# KiCad board fpgaboard.kicad_pcb (continued)
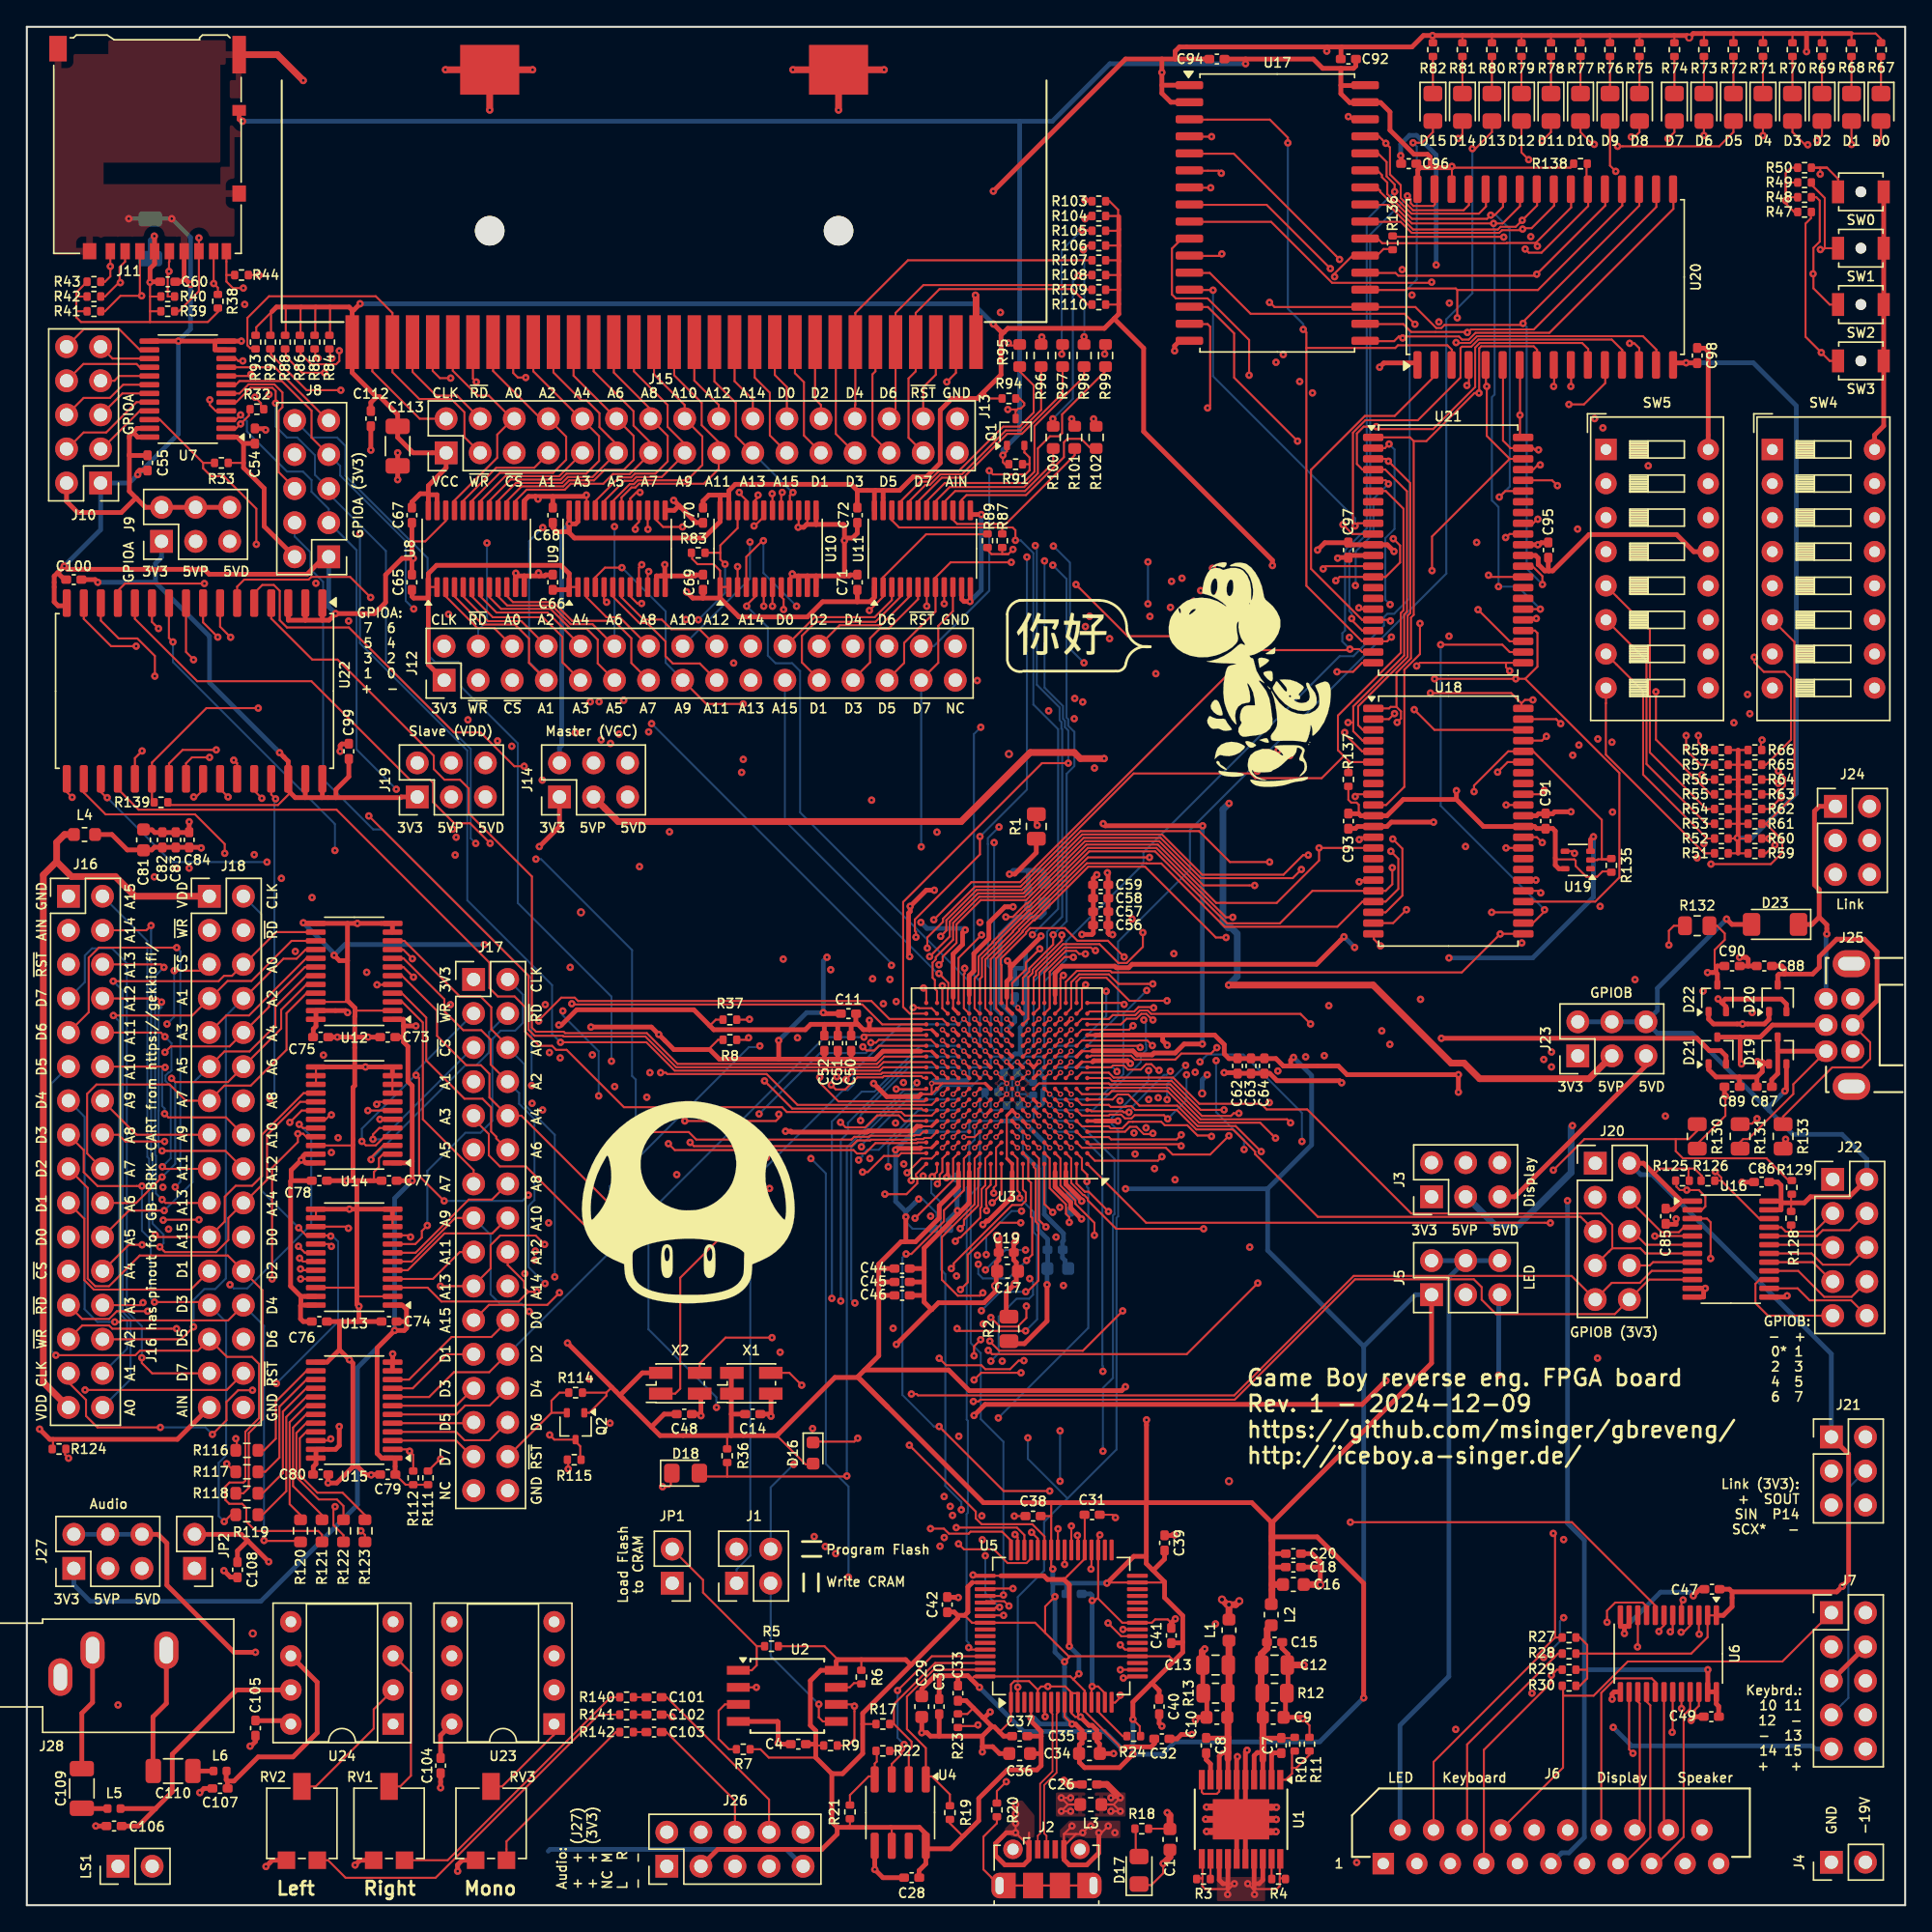
[diagram p0: board, top side]
## Placement (name value [footprint] x y rotation side) (continued)
R121  10  [R_0603_1608Metric]  22 27.9 90 top
R122  10  [R_0603_1608Metric]  23.6 27.9 90 top
R123  10  [R_0603_1608Metric]  25.2 27.9 90 top
R124  1M  [R_0402_1005Metric]  2.4 34 0 top
R125  10k  [R_0402_1005Metric]  123.4 54 180 top
R126  10k  [R_0402_1005Metric]  125.3 54 0 top
R128  10k  [R_0402_1005Metric]  131.5 51.2 270 top
R129  10k  [R_0402_1005Metric]  131.55 53.5 90 top
R130  220  [R_0805_2012Metric]  124.5 57.3 90 top
R131  220  [R_0805_2012Metric]  127.7 57.3 90 top
R132  220  [R_0805_2012Metric]  124.5 73 180 top
R133  220  [R_0805_2012Metric]  130.9 57.3 270 top
R135  10k  [R_0402_1005Metric]  118.1 77.5 270 top
R136  10k  [R_0402_1005Metric]  101.8 123.9 90 top
R137  10k  [R_0402_1005Metric]  98.5 83.9 270 top
R138  10k  [R_0402_1005Metric]  115.8 129.8 180 top
R139  10k  [R_0402_1005Metric]  10 82.2 0 top
R140  47  [R_0402_1005Metric]  44.7 15.5 180 top
R141  47  [R_0402_1005Metric]  44.7 14.2 180 top
R142  47  [R_0402_1005Metric]  44.7 12.9 180 top
RV1  1k  [Potentiometer_Vishay_TS53YL_Vertical]  27 6.1 270 top
RV2  1k  [Potentiometer_Vishay_TS53YL_Vertical]  20.5 6.1 270 top
RV3  1k  [Potentiometer_Vishay_TS53YL_Vertical]  34.6 6.1 270 top
SW0  SW_Push  [SW_SPST_B3U-1000P-B]  136.7 127.7 0 top
SW1  SW_Push  [SW_SPST_B3U-1000P-B]  136.7 123.5 0 top
SW2  SW_Push  [SW_SPST_B3U-1000P-B]  136.7 119.3 0 top
SW3  SW_Push  [SW_SPST_B3U-1000P-B]  136.7 115.1 0 top
SW4  SW_DIP_x08  [SW_DIP_SPSTx08_Slide_9.78x22.5mm_W7.62mm_P2.54mm]  130.1 108.5 0 top
SW5  SW_DIP_x08  [SW_DIP_SPSTx08_Slide_9.78x22.5mm_W7.62mm_P2.54mm]  117.7 108.5 0 top
U1  LT3030EFE  [ETSSOP-20-1EP_4.4x6.5mm_P0.65mm_EP3x4.2mm]  90.5 6.4 270 top
U2  W25Q32JVSSIM  [SOIC-8W_5.3x5.3mm_P1.27mm]  56.68 15.6 0 top
U3  ICE40HX8K-CT256  [BGA-256_14.0x14.0mm_Layout16x16_P0.8mm_Ball0.45mm_Pad0.32mm_NSMD]  73.04 61.25 180 top
U4  93LC56B  [SOIC-8_3.9x4.9mm_P1.27mm]  65.1 6.9 270 top
U5  FT2232H  [LQFP-64_10x10mm_P0.5mm]  77.1 20.8 90 top
U6  74LVCH8T245  [TSSOP-24_4.4x7.8mm_P0.65mm]  122.35 18.75 270 top
U7  74LVCH8T245  [TSSOP-24_4.4x7.8mm_P0.65mm]  12 113 180 top
U8  74LVCH8T245  [TSSOP-24_4.4x7.8mm_P0.65mm]  33.5 101.1 90 top
U9  74LVCH8T245  [TSSOP-24_4.4x7.8mm_P0.65mm]  44 101.1 90 top
U10  74LVCH8T245  [TSSOP-24_4.4x7.8mm_P0.65mm]  55.25 101.1 90 top
U11  74LVCH8T245  [TSSOP-24_4.4x7.8mm_P0.65mm]  66.75 101.1 90 top
U12  74LVCH8T245  [TSSOP-24_4.4x7.8mm_P0.65mm]  24.4 69.6 180 top
U13  74LVCH8T245  [TSSOP-24_4.4x7.8mm_P0.65mm]  24.4 48.3 180 top
U14  74LVCH8T245  [TSSOP-24_4.4x7.8mm_P0.65mm]  24.4 58.9 180 top
U15  74LVCH8T245  [TSSOP-24_4.4x7.8mm_P0.65mm]  24.4 36.9 180 top
U16  74LVCH8T245  [TSSOP-24_4.4x7.8mm_P0.65mm]  127 48.9 0 top
U17  IS62WV1288BLL-55QLI  [SSOP-32_11.305x20.495mm_P1.27mm]  93.2 126.12 0 top
U18  IS62WV10248EBLL-45TLI  [TSOP-II-44_10.16x18.41mm_P0.8mm]  105.95 80.8 0 top
U19  74AHC1GU04  [SOT-353_SC-70-5]  115.6 77.9 180 top
U20  IS62WV1288BLL-55QLI  [SSOP-32_11.305x20.495mm_P1.27mm]  113.18 121.35 90 top
U21  IS62WV10248EBLL-45TLI  [TSOP-II-44_10.16x18.41mm_P0.8mm]  105.94 101 0 top
U22  IS62WV1288BLL-55QLI  [SSOP-32_11.305x20.495mm_P1.27mm]  12.5 90.5 270 top
U23  TDA7050  [DIP-8_W7.62mm_Socket]  39.3 13.5 180 top
U24  TDA7050  [DIP-8_W7.62mm_Socket]  27.3 13.5 180 top
X1  12M  [Oscillator_SMD_EuroQuartz_XO32-4Pin_3.2x2.5mm_HandSoldering]  54 38.9 0 top
X2  16.777216M  [Oscillator_SMD_EuroQuartz_XO32-4Pin_3.2x2.5mm_HandSoldering]  48.7 38.9 0 top

## Library data of the parts
C1-C113 = -: Description: Unpolarized capacitor; ki_fp_filters: C_*
D0-D15 D17 D18 = -: Description: Light emitting diode, filled shape; ki_fp_filters: LED* LED_SMD:* LED_THT:*
D16 D23 = -: Description: Diode, filled shape; Sim.Device: D; Sim.Pins: 1=K 2=A; ki_fp_filters: TO-???* *_Diode_* *SingleDiode* D_*
D19-D22 = -: Description: Dual diode, anode/cathode/center
J1 = -: Description: Generic connector, double row, 02x02, odd/even pin numbering scheme (row 1 odd numbers, row 2 even numbers), script generated (kicad-library-utils/schlib/autogen/connector/); ki_fp_filters: Connector*:*_2x??_*
J2 = -: Description: USB Micro Type B connector; Field4: PCB Edge; ki_fp_filters: USB*
J3 J5 J9 J14 J19 J21 J23 J27 = -: Description: Generic connector, double row, 02x03, odd/even pin numbering scheme (row 1 odd numbers, row 2 even numbers), script generated (kicad-library-utils/schlib/autogen/connector/); ki_fp_filters: Connector*:*_2x??_*
J4 = -: Description: Generic connector, single row, 01x02, script generated (kicad-library-utils/schlib/autogen/connector/); ki_fp_filters: Connector*:*_1x??_*
J6 = -: Description: Generic connector, single row, 01x21, script generated (kicad-library-utils/schlib/autogen/connector/); ki_fp_filters: Connector*:*_1x??_*
J7 J8 J10 J20 J22 = -: Description: Generic connector, single row, 01x10, script generated (kicad-library-utils/schlib/autogen/connector/); ki_fp_filters: Connector*:*_1x??_*
J11 = -: Datasheet: https://www.hirose.com/en/product/document?clcode=&productname=&series=DM3&documenttype=Catalog&lang=en&documentid=D49662_en; Description: Micro SD Card Socket with two card detection pins; Field4: KEEPOUT; Field5: KEEPOUT; Field6: KEEPOUT; ki_fp_filters: microSD*
J12 J13 J15 J17 J18 = -: Description: Generic connector, single row, 01x32, script generated (kicad-library-utils/schlib/autogen/connector/); ki_fp_filters: Connector*:*_1x??_*
J16 = -: Description: Generic connector, double row, 02x16, odd/even pin numbering scheme (row 1 odd numbers, row 2 even numbers), script generated (kicad-library-utils/schlib/autogen/connector/); ki_fp_filters: Connector*:*_2x??_*
J24 = -: Description: Generic connector, single row, 01x06, script generated (kicad-library-utils/schlib/autogen/connector/); ki_fp_filters: Connector*:*_1x??_*
J25 = -: Description: Generic connector, single row, 01x07, script generated (kicad-library-utils/schlib/autogen/connector/); ki_fp_filters: Connector*:*_1x??_*
J26 = -: Description: Generic connector, double row, 02x05, odd/even pin numbering scheme (row 1 odd numbers, row 2 even numbers), script generated (kicad-library-utils/schlib/autogen/connector/); ki_fp_filters: Connector*:*_2x??_*
J28 = -: Description: Audio Jack, 3 Poles (Stereo / TRS); ki_fp_filters: Jack*
JP1 JP2 = -: Description: Jumper, 2-pole, closed/bridged; ki_fp_filters: Jumper* TestPoint*2Pads* TestPoint*Bridge*
L1-L6 = -: Description: Inductor; ki_fp_filters: Choke_* *Coil* Inductor_* L_*
LS1 = -: Description: Speaker
Q1 Q2 = -: Description: N-MOSFET transistor, gate/source/drain
R1-R13 R17-R24 R27-R30 R32 R33 R36-R44 R47-R89 R91-R112 R114-R126 R128-R133 R135-R142 = -: Description: Resistor; ki_fp_filters: R_*
RV1-RV3 = -: Description: Potentiometer; ki_fp_filters: Potentiometer*
SW0-SW3 = -: Description: Push button switch, generic, two pins
SW4 SW5 = -: Description: 8x DIP Switch, Single Pole Single Throw (SPST) switch, small symbol; ki_fp_filters: SW?DIP?x8*
U1 = -: Datasheet: https://www.analog.com/media/en/technical-documentation/data-sheets/3030fa.pdf; Description: Dual 750mA/250mALow Dropout, Low Noise,Micropower Linear Regulator
U2 = -: Datasheet: http://ww1.microchip.com/downloads/en/DeviceDoc/21832H.pdf; Description: SPI Serial EEPROM, DIP-8/SOIC-8/TSSOP-8; ki_fp_filters: DIP*W7.62mm* SOIC*3.9x4.9mm* TSSOP*4.4x3mm*P0.65mm*
U3 = -: Datasheet: http://www.latticesemi.com/Products/FPGAandCPLD/iCE40; Description: iCE40 HX FPGA, 7680 LUTs, 1.2V, BGA-256
U4 = -: Datasheet: http://ww1.microchip.com/downloads/en/DeviceDoc/20001749K.pdf; Description: Serial EEPROM, 93 Series, with ORG Pin, 2.5V, DIP-8/SOIC-8; ki_fp_filters: DIP*W7.62mm* SOIC*3.9x4.9mm*
U5 = -: Datasheet: https://www.ftdichip.com/Support/Documents/DataSheets/ICs/DS_FT2232H.pdf; Description: Hi Speed Double Channel USB UART/FIFO, LQFP-64; ki_fp_filters: LQFP*10x10mm*P0.5mm*
U6-U16 = -: Datasheet: https://www.ti.com/lit/ds/symlink/sn74lvc8t245.pdf; Description: 8-Bit Dual-Supply Bus Transceiver With Configurable Voltage Translation and 3-State Outputs; ki_fp_filters: SSOP*5.3x8.2mm* SSOP*3.9x8.7mm* TSSOP*4.4x7.8mm* TVSOP*4.4x5.0mm* Texas*VQFN*RHL*
U17 U20 U22 = -: Datasheet: http://www.futurlec.com/Datasheet/Memory/628128.pdf; Description: SRAM 128k x 8bit; ki_fp_filters: DIP*W15.24mm* SSOP*11.305x20.495mm*P1.27mm*
U18 U21 = -: Datasheet: https://www.issi.com/WW/pdf/62-65WV10248EALL-BLL.pdf; Description: SRAM 1M x 8bit; ki_fp_filters: TSOP-II
U19 = -: Datasheet: http://www.ti.com/lit/sg/scyt129e/scyt129e.pdf; Description: 74AHC1G04, Single NOT Gate, Low-Voltage CMOS; ki_fp_filters: SOT* SG-*
U23 U24 = -: Datasheet: https://eandc.ru/pdf/import/tda7050.pdf; Description: Low voltage mono/stereo poweramplifier; ki_fp_filters: TO*220*StaggerOdd*
X1 X2 = -: Datasheet: http://cdn-reichelt.de/documents/datenblatt/B400/XO32.pdf; Description: HCMOS Clock Oscillator; ki_fp_filters: Oscillator*SMD*EuroQuartz*XO32*3.2x2.5mm*

## Footprints (pads in the part's own frame, mm; a bottom-side part is the same pattern mirrored in y, then rotated)
BGA-256_14.0x14.0mm_Layout16x16_P0.8mm_Ball0.45mm_Pad0.32mm_NSMD
  round 0.32 smd: A1(-6,6) A2(-5.2,6) A3(-4.4,6) A4(-3.6,6) A5(-2.8,6) A6(-2,6) A7(-1.2,6) A8(-0.4,6) A9(0.4,6) A10(1.2,6) A11(2,6) A12(2.8,6) A13(3.6,6) A14(4.4,6) A15(5.2,6) A16(6,6) B1(-6,5.2) B2(-5.2,5.2) B3(-4.4,5.2) B4(-3.6,5.2) B5(-2.8,5.2) B6(-2,5.2) B7(-1.2,5.2) B8(-0.4,5.2) B9(0.4,5.2) B10(1.2,5.2) B11(2,5.2) B12(2.8,5.2) B13(3.6,5.2) B14(4.4,5.2) B15(5.2,5.2) B16(6,5.2) C1(-6,4.4) C2(-5.2,4.4) C3(-4.4,4.4) C4(-3.6,4.4) C5(-2.8,4.4) C6(-2,4.4) C7(-1.2,4.4) C8(-0.4,4.4) C9(0.4,4.4) C10(1.2,4.4) C11(2,4.4) C12(2.8,4.4) C13(3.6,4.4) C14(4.4,4.4) C15(5.2,4.4) C16(6,4.4) D1(-6,3.6) D2(-5.2,3.6) D3(-4.4,3.6) D4(-3.6,3.6) D5(-2.8,3.6) D6(-2,3.6) D7(-1.2,3.6) D8(-0.4,3.6) D9(0.4,3.6) D10(1.2,3.6) D11(2,3.6) D12(2.8,3.6) D13(3.6,3.6) D14(4.4,3.6) D15(5.2,3.6) D16(6,3.6) E1(-6,2.8) E2(-5.2,2.8) E3(-4.4,2.8) E4(-3.6,2.8) E5(-2.8,2.8) E6(-2,2.8) E7(-1.2,2.8) E8(-0.4,2.8) E9(0.4,2.8) E10(1.2,2.8) E11(2,2.8) E12(2.8,2.8) E13(3.6,2.8) E14(4.4,2.8) E15(5.2,2.8) E16(6,2.8) F1(-6,2) F2(-5.2,2) F3(-4.4,2) F4(-3.6,2) F5(-2.8,2) F6(-2,2) F7(-1.2,2) F8(-0.4,2) F9(0.4,2) F10(1.2,2) F11(2,2) F12(2.8,2) F13(3.6,2) F14(4.4,2) F15(5.2,2) F16(6,2) G1(-6,1.2) G2(-5.2,1.2) G3(-4.4,1.2) G4(-3.6,1.2) G5(-2.8,1.2) G6(-2,1.2) G7(-1.2,1.2) G8(-0.4,1.2) G9(0.4,1.2) G10(1.2,1.2) G11(2,1.2) G12(2.8,1.2) G13(3.6,1.2) G14(4.4,1.2) G15(5.2,1.2) G16(6,1.2) H1(-6,0.4) H2(-5.2,0.4) H3(-4.4,0.4) H4(-3.6,0.4) H5(-2.8,0.4) H6(-2,0.4) H7(-1.2,0.4) H8(-0.4,0.4) H9(0.4,0.4) H10(1.2,0.4) H11(2,0.4) H12(2.8,0.4) H13(3.6,0.4) H14(4.4,0.4) H15(5.2,0.4) H16(6,0.4) J1(-6,-0.4) J2(-5.2,-0.4) J3(-4.4,-0.4) J4(-3.6,-0.4) J5(-2.8,-0.4) J6(-2,-0.4) J7(-1.2,-0.4) J8(-0.4,-0.4) J9(0.4,-0.4) J10(1.2,-0.4) J11(2,-0.4) J12(2.8,-0.4) J13(3.6,-0.4) J14(4.4,-0.4) J15(5.2,-0.4) J16(6,-0.4) K1(-6,-1.2) K2(-5.2,-1.2) K3(-4.4,-1.2) K4(-3.6,-1.2) K5(-2.8,-1.2) K6(-2,-1.2) K7(-1.2,-1.2) K8(-0.4,-1.2) K9(0.4,-1.2) K10(1.2,-1.2) K11(2,-1.2) K12(2.8,-1.2) K13(3.6,-1.2) K14(4.4,-1.2) K15(5.2,-1.2) K16(6,-1.2) L1(-6,-2) L2(-5.2,-2) L3(-4.4,-2) L4(-3.6,-2) L5(-2.8,-2) L6(-2,-2) L7(-1.2,-2) L8(-0.4,-2) L9(0.4,-2) L10(1.2,-2) L11(2,-2) L12(2.8,-2) L13(3.6,-2) L14(4.4,-2) L15(5.2,-2) L16(6,-2) M1(-6,-2.8) M2(-5.2,-2.8) M3(-4.4,-2.8) M4(-3.6,-2.8) M5(-2.8,-2.8) M6(-2,-2.8) M7(-1.2,-2.8) M8(-0.4,-2.8) M9(0.4,-2.8) M10(1.2,-2.8) M11(2,-2.8) M12(2.8,-2.8) M13(3.6,-2.8) M14(4.4,-2.8) M15(5.2,-2.8) M16(6,-2.8) N1(-6,-3.6) N2(-5.2,-3.6) N3(-4.4,-3.6) N4(-3.6,-3.6) N5(-2.8,-3.6) N6(-2,-3.6) N7(-1.2,-3.6) N8(-0.4,-3.6) N9(0.4,-3.6) N10(1.2,-3.6) N11(2,-3.6) N12(2.8,-3.6) N13(3.6,-3.6) N14(4.4,-3.6) N15(5.2,-3.6) N16(6,-3.6) P1(-6,-4.4) P2(-5.2,-4.4) P3(-4.4,-4.4) P4(-3.6,-4.4) P5(-2.8,-4.4) P6(-2,-4.4) P7(-1.2,-4.4) P8(-0.4,-4.4) P9(0.4,-4.4) P10(1.2,-4.4) P11(2,-4.4) P12(2.8,-4.4) P13(3.6,-4.4) P14(4.4,-4.4) P15(5.2,-4.4) P16(6,-4.4) R1(-6,-5.2) R2(-5.2,-5.2) R3(-4.4,-5.2) R4(-3.6,-5.2) R5(-2.8,-5.2) R6(-2,-5.2) R7(-1.2,-5.2) R8(-0.4,-5.2) R9(0.4,-5.2) R10(1.2,-5.2) R11(2,-5.2) R12(2.8,-5.2) R13(3.6,-5.2) R14(4.4,-5.2) R15(5.2,-5.2) R16(6,-5.2) T1(-6,-6) T2(-5.2,-6) T3(-4.4,-6) T4(-3.6,-6) T5(-2.8,-6) T6(-2,-6) T7(-1.2,-6) T8(-0.4,-6) T9(0.4,-6) T10(1.2,-6) T11(2,-6) T12(2.8,-6) T13(3.6,-6) T14(4.4,-6) T15(5.2,-6) T16(6,-6)
C_0402_1005Metric
  rrect 0.56x0.62 smd: 1(-0.48,0) 2(0.48,0)
C_0402_1005Metric_Pad0.74x0.62mm_HandSolder
  rrect 0.735x0.62 smd: 1(-0.568,0) 2(0.568,0)
C_0603_1608Metric
  rrect 0.9x0.95 smd: 1(-0.775,0) 2(0.775,0)
C_0805_2012Metric
  rrect 1x1.45 smd: 1(-0.95,0) 2(0.95,0)
C_1206_3216Metric
  rrect 1.15x1.8 smd: 1(-1.475,0) 2(1.475,0)
Cartridge_Socket_SMD
  round 2.2 hole 2.2 unplated: (-13,1.8) (13,1.8)
  rect 1x4 smd: 1(-23.25,-6.5) 2(-21.75,-6.5) 3(-20.25,-6.5) 4(-18.75,-6.5) 5(-17.25,-6.5) 6(-15.75,-6.5) 7(-14.25,-6.5) 8(-12.75,-6.5) 9(-11.25,-6.5) 10(-9.75,-6.5) 11(-8.25,-6.5) 12(-6.75,-6.5) 13(-5.25,-6.5) 14(-3.75,-6.5) 15(-2.25,-6.5) 16(-0.75,-6.5) 17(0.75,-6.5) 18(2.25,-6.5) 19(3.75,-6.5) 20(5.25,-6.5) 21(6.75,-6.5) 22(8.25,-6.5) 23(9.75,-6.5) 24(11.25,-6.5) 25(12.75,-6.5) 26(14.25,-6.5) 27(15.75,-6.5) 28(17.25,-6.5) 29(18.75,-6.5) 30(20.25,-6.5) 31(21.75,-6.5) 32(23.25,-6.5)
  rect 4.4x3.7 smd: 32(-13,13.8) 32(13,13.8)
CGB_External-Link-Port
  oval 1.6x1.715 hole 1: 1(-1.95,0) 2(-1.95,2) 3(0,0) 4(0,2) 5(1.95,0) 6(1.95,2)
  oval 2x2.8 hole 1x2: 7(-4.575,1.9) 7(4.575,1.9)
D_0603_1608Metric
  rrect 0.875x0.95 smd: 1(-0.787,0) 2(0.787,0)
D_MiniMELF
  rrect 1.3x1.7 smd: 1(-1.75,0) 2(1.75,0)
DIP-8_W7.62mm_Socket
  rect 1.6x1.6 hole 0.8: 1(0,0)
  oval 1.6x1.6 hole 0.8: 2(0,-2.54) 3(0,-5.08) 4(0,-7.62) 5(7.62,-7.62) 6(7.62,-5.08) 7(7.62,-2.54) 8(7.62,0)
DMG_FFC_LCD-Board_21Pin
  rect 1.6x1.6 hole 0.85: 1(0,0)
  round 1.6 hole 0.85: 2(1.25,2.5) 3(2.5,0) 4(3.75,2.5) 5(5,0) 6(6.25,2.5) 7(7.5,0) 8(8.75,2.5) 9(10,0) 10(11.25,2.5) 11(12.5,0) 12(13.75,2.5) 13(15,0) 14(16.25,2.5) 15(17.5,0) 16(18.75,2.5) 17(20,0) 18(21.25,2.5) 19(22.5,0) 20(23.75,2.5) 21(25,0)
ETSSOP-20-1EP_4.4x6.5mm_P0.65mm_EP3x4.2mm
  rect 1.2x1.14 smd: (-0.75,1.4) (-0.75,0) (-0.75,-1.4) (0.75,1.4) (0.75,0) (0.75,-1.4)
  rect 1.45x0.45 smd: 1(-2.95,2.925) 2(-2.95,2.275) 3(-2.95,1.625) 4(-2.95,0.975) 5(-2.95,0.325) 6(-2.95,-0.325) 7(-2.95,-0.975) 8(-2.95,-1.625) 9(-2.95,-2.275) 10(-2.95,-2.925) 11(2.95,-2.925) 12(2.95,-2.275) 13(2.95,-1.625) 14(2.95,-0.975) 15(2.95,-0.325) 16(2.95,0.325) 17(2.95,0.975) 18(2.95,1.625) 19(2.95,2.275) 20(2.95,2.925)
  rect 3x4.2 smd: 21(0,0)
Jack_3.5mm_CUI_SJ1-3533NG_Horizontal
  oval 2.8x1.8 hole 2x1: R(2,-7.9) S(0,0) T(2,-2.4)
L_0402_1005Metric
  rrect 0.59x0.64 smd: 1(-0.485,0) 2(0.485,0)
L_0603_1608Metric
  rrect 0.875x0.95 smd: 1(-0.787,0) 2(0.787,0)
LED_0805_2012Metric_Pad1.15x1.40mm_HandSolder
  rrect 1.15x1.4 smd: 1(-1.025,0) 2(1.025,0)
LQFP-64_10x10mm_P0.5mm
  rrect 1.55x0.3 smd: 1(-5.675,3.75) 2(-5.675,3.25) 3(-5.675,2.75) 4(-5.675,2.25) 5(-5.675,1.75) 6(-5.675,1.25) 7(-5.675,0.75) 8(-5.675,0.25) 9(-5.675,-0.25) 10(-5.675,-0.75) 11(-5.675,-1.25) 12(-5.675,-1.75) 13(-5.675,-2.25) 14(-5.675,-2.75) 15(-5.675,-3.25) 16(-5.675,-3.75) 33(5.675,-3.75) 34(5.675,-3.25) 35(5.675,-2.75) 36(5.675,-2.25) 37(5.675,-1.75) 38(5.675,-1.25) 39(5.675,-0.75) 40(5.675,-0.25) 41(5.675,0.25) 42(5.675,0.75) 43(5.675,1.25) 44(5.675,1.75) 45(5.675,2.25) 46(5.675,2.75) 47(5.675,3.25) 48(5.675,3.75)
  rrect 0.3x1.55 smd: 17(-3.75,-5.675) 18(-3.25,-5.675) 19(-2.75,-5.675) 20(-2.25,-5.675) 21(-1.75,-5.675) 22(-1.25,-5.675) 23(-0.75,-5.675) 24(-0.25,-5.675) 25(0.25,-5.675) 26(0.75,-5.675) 27(1.25,-5.675) 28(1.75,-5.675) 29(2.25,-5.675) 30(2.75,-5.675) 31(3.25,-5.675) 32(3.75,-5.675) 49(3.75,5.675) 50(3.25,5.675) 51(2.75,5.675) 52(2.25,5.675) 53(1.75,5.675) 54(1.25,5.675) 55(0.75,5.675) 56(0.25,5.675) 57(-0.25,5.675) 58(-0.75,5.675) 59(-1.25,5.675) 60(-1.75,5.675) 61(-2.25,5.675) 62(-2.75,5.675) 63(-3.25,5.675) 64(-3.75,5.675)
microSD_HC_Hirose_DM3AT-SF-PEJM5
  rect 0.7x1.2 smd: 1(2.775,7.725) 2(1.675,7.725) 3(0.575,7.725) 4(-0.525,7.725) 5(-1.625,7.725) 6(-2.725,7.725) 7(-3.825,7.725) 8(-4.925,7.725) 9(-5.875,7.725)
  rect 1x0.8 smd: 10(-6.825,-2.775)
  rect 1x1.2 smd: 11(-6.825,3.425) 11(4.325,7.725)
  rect 1x2.8 smd: 11(-6.825,-6.925)
  rect 1.3x1.9 smd: 11(6.675,-7.375)
Oscillator_SMD_EuroQuartz_XO32-4Pin_3.2x2.5mm_HandSoldering
  rect 1.75x0.9 smd: 1(-1.45,-0.775) 2(1.45,-0.775) 3(1.45,0.775) 4(-1.45,0.775)
PinHeader_1x02_P2.54mm_Vertical
  rect 1.7x1.7 hole 1: 1(0,0)
  oval 1.7x1.7 hole 1: 2(0,-2.54)
PinHeader_2x02_P2.54mm_Vertical
  rect 1.7x1.7 hole 1: 1(0,0)
  oval 1.7x1.7 hole 1: 2(2.54,0) 3(0,-2.54) 4(2.54,-2.54)
PinHeader_2x03_P2.54mm_Vertical
  rect 1.7x1.7 hole 1: 1(0,0)
  oval 1.7x1.7 hole 1: 2(2.54,0) 3(0,-2.54) 4(2.54,-2.54) 5(0,-5.08) 6(2.54,-5.08)
PinHeader_2x05_P2.54mm_Vertical
  rect 1.7x1.7 hole 1: 1(0,0)
  oval 1.7x1.7 hole 1: 2(2.54,0) 3(0,-2.54) 4(2.54,-2.54) 5(0,-5.08) 6(2.54,-5.08) 7(0,-7.62) 8(2.54,-7.62) 9(0,-10.16) 10(2.54,-10.16)
PinHeader_2x16_P2.54mm_Vertical
  rect 1.7x1.7 hole 1: 1(0,0)
  oval 1.7x1.7 hole 1: 2(2.54,0) 3(0,-2.54) 4(2.54,-2.54) 5(0,-5.08) 6(2.54,-5.08) 7(0,-7.62) 8(2.54,-7.62) 9(0,-10.16) 10(2.54,-10.16) 11(0,-12.7) 12(2.54,-12.7) 13(0,-15.24) 14(2.54,-15.24) 15(0,-17.78) 16(2.54,-17.78) 17(0,-20.32) 18(2.54,-20.32) 19(0,-22.86) 20(2.54,-22.86) 21(0,-25.4) 22(2.54,-25.4) 23(0,-27.94) 24(2.54,-27.94) 25(0,-30.48) 26(2.54,-30.48) 27(0,-33.02) 28(2.54,-33.02) 29(0,-35.56) 30(2.54,-35.56) 31(0,-38.1) 32(2.54,-38.1)
Potentiometer_Vishay_TS53YL_Vertical
  rect 1.3x1.3 smd: 1(2.75,1.15) 3(2.75,-1.15)
  rect 2x1.3 smd: 2(-2.75,0)
R_0402_1005Metric
  rrect 0.54x0.64 smd: 1(-0.51,0) 2(0.51,0)
R_0603_1608Metric
  rrect 0.8x0.95 smd: 1(-0.825,0) 2(0.825,0)
R_0805_2012Metric
  rrect 1.025x1.4 smd: 1(-0.912,0) 2(0.912,0)
SOIC-8_3.9x4.9mm_P1.27mm
  rrect 1.95x0.6 smd: 1(-2.475,1.905) 2(-2.475,0.635) 3(-2.475,-0.635) 4(-2.475,-1.905) 5(2.475,-1.905) 6(2.475,-0.635) 7(2.475,0.635) 8(2.475,1.905)
SOIC-8W_5.3x5.3mm_P1.27mm
  rect 1.7x0.65 smd: 1(-3.65,1.905) 2(-3.65,0.635) 3(-3.65,-0.635) 4(-3.65,-1.905) 5(3.65,-1.905) 6(3.65,-0.635) 7(3.65,0.635) 8(3.65,1.905)
SOT-323_SC-70
  rrect 0.7x0.45 smd: 1(-1,0.65) 2(-1,-0.65) 3(1,0)
SOT-353_SC-70-5
  rrect 0.65x0.4 smd: 1(-0.95,0.65) 2(-0.95,0) 3(-0.95,-0.65) 4(0.95,-0.65) 5(0.95,0.65)
SSOP-32_11.305x20.495mm_P1.27mm
  rrect 2.05x0.6 smd: 1(-6.55,9.525) 2(-6.55,8.255) 3(-6.55,6.985) 4(-6.55,5.715) 5(-6.55,4.445) 6(-6.55,3.175) 7(-6.55,1.905) 8(-6.55,0.635) 9(-6.55,-0.635) 10(-6.55,-1.905) 11(-6.55,-3.175) 12(-6.55,-4.445) 13(-6.55,-5.715) 14(-6.55,-6.985) 15(-6.55,-8.255) 16(-6.55,-9.525) 17(6.55,-9.525) 18(6.55,-8.255) 19(6.55,-6.985) 20(6.55,-5.715) 21(6.55,-4.445) 22(6.55,-3.175) 23(6.55,-1.905) 24(6.55,-0.635) 25(6.55,0.635) 26(6.55,1.905) 27(6.55,3.175) 28(6.55,4.445) 29(6.55,5.715) 30(6.55,6.985) 31(6.55,8.255) 32(6.55,9.525)
SW_DIP_SPSTx08_Slide_9.78x22.5mm_W7.62mm_P2.54mm
  rect 1.6x1.6 hole 0.8: 1(0,0)
  oval 1.6x1.6 hole 0.8: 2(0,-2.54) 3(0,-5.08) 4(0,-7.62) 5(0,-10.16) 6(0,-12.7) 7(0,-15.24) 8(0,-17.78) 9(7.62,-17.78) 10(7.62,-15.24) 11(7.62,-12.7) 12(7.62,-10.16) 13(7.62,-7.62) 14(7.62,-5.08) 15(7.62,-2.54) 16(7.62,0)
SW_SPST_B3U-1000P-B
  round 0.8 hole 0.8 unplated: (0,0)
  rect 0.9x1.7 smd: 1(-1.7,0) 2(1.7,0)
TSOP-II-44_10.16x18.41mm_P0.8mm
  rrect 1.525x0.55 smd: 1(-5.588,8.4) 2(-5.588,7.6) 3(-5.588,6.8) 4(-5.588,6) 5(-5.588,5.2) 6(-5.588,4.4) 7(-5.588,3.6) 8(-5.588,2.8) 9(-5.588,2) 10(-5.588,1.2) 11(-5.588,0.4) 12(-5.588,-0.4) 13(-5.588,-1.2) 14(-5.588,-2) 15(-5.588,-2.8) 16(-5.588,-3.6) 17(-5.588,-4.4) 18(-5.588,-5.2) 19(-5.588,-6) 20(-5.588,-6.8) 21(-5.588,-7.6) 22(-5.588,-8.4) 23(5.588,-8.4) 24(5.588,-7.6) 25(5.588,-6.8) 26(5.588,-6) 27(5.588,-5.2) 28(5.588,-4.4) 29(5.588,-3.6) 30(5.588,-2.8) 31(5.588,-2) 32(5.588,-1.2) 33(5.588,-0.4) 34(5.588,0.4) 35(5.588,1.2) 36(5.588,2) 37(5.588,2.8) 38(5.588,3.6) 39(5.588,4.4) 40(5.588,5.2) 41(5.588,6) 42(5.588,6.8) 43(5.588,7.6) 44(5.588,8.4)
TSSOP-24_4.4x7.8mm_P0.65mm
  rrect 1.475x0.4 smd: 1(-2.862,3.575) 2(-2.862,2.925) 3(-2.862,2.275) 4(-2.862,1.625) 5(-2.862,0.975) 6(-2.862,0.325) 7(-2.862,-0.325) 8(-2.862,-0.975) 9(-2.862,-1.625) 10(-2.862,-2.275) 11(-2.862,-2.925) 12(-2.862,-3.575) 13(2.862,-3.575) 14(2.862,-2.925) 15(2.862,-2.275) 16(2.862,-1.625) 17(2.862,-0.975) 18(2.862,-0.325) 19(2.862,0.325) 20(2.862,0.975) 21(2.862,1.625) 22(2.862,2.275) 23(2.862,2.925) 24(2.862,3.575)
USB_Micro-B_Molex-105017-0001
  rect 0.4x1.35 smd: 1(-1.3,1.462) 2(-0.65,1.462) 3(0,1.462) 4(0.65,1.462) 5(1.3,1.462)
  oval 1.2x1.9 hole 0.6x1.3: 6(-3.5,-1.238) 6(3.5,-1.238)
  rect 1.2x1.9 smd: 6(-2.9,-1.238) 6(2.9,-1.238)
  round 1.45 hole 0.85: 6(-2.5,1.462) 6(2.5,1.462)
  rect 1.5x1.9 smd: 6(-1,-1.238) 6(1,-1.238)

## Nets
+1V2: C17.1 C19.1 C21.1 C23.1 C24.1 C25.1 C27.1 L1.1 R1.2 R2.2 U3.A14 U3.F6 U3.F10 U3.K6 U3.K10 U3.L2
+1V8: C29.1 C30.1 C31.1 C32.1 C33.1 U5.12 U5.37 U5.49 U5.64
+3V3: C4.1 C11.1 C14.1 C16.1 C18.1 C20.1 C22.1 C28.1 C34.1 C35.1 C36.1 C37.1 C38.1 C39.1 C40.1 C41.1 C42.1 C43.2 C44.2 C45.2 C46.2 C47.1 C48.1 C50.2 C51.2 C52.2 C53.2 C54.1 C56.2 C57.2 C58.2 C59.2 C60.1 C61.2 C62.2 C63.2 C64.2 C65.1 C66.2 C69.2 C71.1 C73.1 C74.2 C77.2 C79.1 C85.1 C91.1 C92.1 C93.1 C94.1 C95.1 C96.1 C97.1 C98.1 C99.1 C100.1 C111.1 D16.2 J3.1 J5.1 J7.9 J7.10 J8.2 J9.1 J11.4 J11.10 J12.1 J14.1 J17.1 J19.1 J20.2 J21.1 J23.1 J26.3 J26.4 J27.1 L2.1 Q1.1 Q2.1 R5.1 R6.1 R7.1 R9.1 R17.1 R19.1 R21.1 R24.1 R27.1 R28.1 R29.1 R30.1 R32.1 R33.1 R36.1 R37.1 R38.1 R39.1 R40.1 R41.1 R42.1 R43.1 R83.1 R87.1 R89.1 R91.1 R111.1 R112.1 R114.1 R125.1 R126.1 R135.2 R136.2 R137.2 R138.2 R139.2 SW0.2 SW1.2 SW2.2 SW3.2 SW4.9 SW4.10 SW4.11 SW4.12 SW4.13 SW4.14 SW4.15 SW4.16 SW5.9 SW5.10 SW5.11 SW5.12 SW5.13 SW5.14 SW5.15 SW5.16 U2.8 U3.A3 U3.A8 U3.A13 U3.C15 U3.E1 U3.F8 U3.G6 U3.H10 U3.H15 U3.J6 U3.K8 U3.N1 U3.N13 U3.N15 U3.P3 U3.R8 U3.R13 U4.6 U4.8 U5.4 U5.9 U5.20 U5.31 U5.42 U5.50 U5.56 U6.1 U6.2 U7.1 U8.1 U8.2 U9.1 U9.2 U10.1 U10.2 U11.1 U12.1 U13.1 U14.1 U15.1 U16.1 U17.31 U17.32 U18.11 U18.33 U19.5 U20.30 U20.32 U21.11 U21.33 U22.30 U22.31 U22.32 X1.1 X1.4 X2.4
+5VD: C81.1 C82.1 C83.1 C84.1 J3.5 J5.5 J9.5 J14.5 J19.5 J23.5 J27.5 L4.2 R115.1
+5VP: C1.1 C26.2 J3.3 J5.3 J9.3 J14.3 J19.3 J23.3 J27.3 L3.1 R3.1 R4.1 R18.1 U1.11 U1.13 U1.14 U1.17 U1.18 U1.20
/Audio/VCC_AMP: C104.2 C105.2 J26.1 J26.2 J27.2 J27.4 J27.6 U23.8 U24.8
/Bank0: Display, Keyboard, Clock/-19V: J4.2 J6.3
/Bank0: Display, Keyboard, Clock/VCC_DISP: C49.2 J3.2 J3.4 J3.6 J6.11 U6.23 U6.24
/Bank1: GPIOA/VCC_GPIO_A: C55.2 J9.2 J9.4 J9.6 J10.2 U7.23 U7.24
/External Link Port, GPIOB/VCC_ELP: D23.1 J24.1 J25.1
/External Link Port, GPIOB/VCC_GPIO_B: C86.1 D19.2 D23.2 J22.2 J23.2 J23.4 J23.6 R128.1 R129.1 U16.23 U16.24
/Power, USB, SPI/GNDPLL0: C2.1 C5.1 U3.N8
/Power, USB, SPI/GNDPLL1: C3.2 C6.2 U3.E7
/Power, USB, SPI/VBUS: J2.1 L3.2
/Power, USB, SPI/VCCPLL0: C2.2 C5.2 R1.1 U3.L8
/Power, USB, SPI/VCCPLL1: C3.1 C6.1 R2.1 U3.E8
GND: C1.2 C4.2 C9.2 C10.2 C11.2 C12.2 C13.2 C14.2 C15.2 C16.2 C17.2 C18.2 C19.2 C20.2 C21.2 C22.2 C23.2 C24.2 C25.2 C26.1 C27.2 C28.2 C29.2 C30.2 C31.2 C32.2 C33.2 C34.2 C35.2 C36.2 C37.2 C38.2 C39.2 C40.2 C41.2 C42.2 C43.1 C44.1 C45.1 C46.1 C47.2 C48.2 C49.1 C50.1 C51.1 C52.1 C53.1 C54.2 C55.1 C56.1 C57.1 C58.1 C59.1 C60.2 C61.1 C62.1 C63.1 C64.1 C65.2 C66.1 C67.2 C68.1 C69.1 C70.1 C71.2 C72.2 C73.2 C74.1 C75.2 C76.1 C77.1 C78.1 C79.2 C80.2 C81.2 C82.2 C83.2 C84.2 C85.2 C86.2 C87.2 C88.2 C89.2 C90.2 C91.2 C92.2 C93.2 C94.2 C95.2 C96.2 C97.2 C98.2 C99.2 C100.2 C104.1 C105.1 C106.2 C107.2 C108.2 C111.2 C112.2 C113.2 D17.1 D18.1 D19.1 D20.1 D21.1 D22.1 J2.5 J4.1 J6.1 J6.10 J6.21 J7.4 J7.5 J8.1 J10.1 J11.6 J11.11 J12.32 J13.32 J15.32 J16.1 J17.32 J18.32 J20.1 J21.6 J22.1 J24.6 J25.6 J25.7 J26.9 J26.10 J28.S R8.2 R11.1 R12.2 R13.2 R20.2 R23.2 R44.2 R47.2 R48.2 R49.2 R50.2 R51.2 R52.2 R53.2 R54.2 R55.2 R56.2 R57.2 R58.2 R59.2 R60.2 R61.2 R62.2 R63.2 R64.2 R65.2 R66.2 R67.1 R68.1 R69.1 R70.1 R71.1 R72.1 R73.1 R74.1 R75.1 R76.1 R77.1 R78.1 R79.1 R80.1 R81.1 R82.1 R124.2 RV1.3 RV2.3 RV3.3 U1.5 U1.6 U1.15 U1.16 U1.21 U2.4 U3.A4 U3.A12 U3.E15 U3.G7 U3.G8 U3.G9 U3.H7 U3.H8 U3.H9 U3.J7 U3.J8 U3.J9 U3.K2 U3.K7 U3.L15 U3.R7 U3.T4 U3.T12 U4.5 U5.1 U5.5 U5.10 U5.11 U5.13 U5.15 U5.25 U5.35 U5.47 U5.51 U6.11 U6.12 U6.13 U6.22 U7.11 U7.12 U7.13 U8.11 U8.12 U8.13 U8.22 U9.11 U9.12 U9.13 U9.22 U10.9 U10.10 U10.11 U10.12 U10.13 U10.14 U10.15 U11.11 U11.12 U11.13 U12.2 U12.11 U12.12 U12.13 U12.22 U13.2 U13.10 U13.11 U13.12 U13.13 U13.14 U13.22 U14.2 U14.9 U14.10 U14.11 U14.12 U14.13 U14.14 U14.15 U14.22 U15.11 U15.12 U15.13 U16.11 U16.12 U16.13 U17.1 U17.2 U17.16 U18.12 U18.34 U19.3 U20.1 U20.16 U21.12 U21.34 U22.1 U22.2 U22.3 U22.16 U23.2 U23.4 U23.5 U24.1 U24.4 U24.5 X1.2 X2.2
VCC: C67.1 C68.2 C70.2 C72.1 C112.1 C113.1 D20.2 D22.2 J13.1 J14.2 J14.4 J14.6 J15.1 R84.1 R85.1 R86.1 R88.1 R92.1 R93.1 R94.1 R103.2 R104.2 R105.2 R106.2 R107.2 R108.2 R109.2 R110.2 U8.23 U8.24 U9.23 U9.24 U10.23 U10.24 U11.23 U11.24
VDD: C75.1 C76.2 C78.2 C80.1 D21.2 J19.2 J19.4 J19.6 U12.23 U12.24 U13.23 U13.24 U14.23 U14.24 U15.23 U15.24
/Bank0: Display, Keyboard, Clock/BAT_LED: J5.2 J5.4 J5.6 J6.2
/Bank0: Display, Keyboard, Clock/DISP_ALTSIG: U3.D5 U6.5
/Bank0: Display, Keyboard, Clock/DISP_CLK: U3.B4 U6.7
/Bank0: Display, Keyboard, Clock/DISP_CTRL: U3.A5 U6.10
/Bank0: Display, Keyboard, Clock/DISP_D0: U3.B5 U6.9
/Bank0: Display, Keyboard, Clock/DISP_D1: U3.E6 U6.8
/Bank0: Display, Keyboard, Clock/DISP_HSYNC: U3.C5 U6.3
/Bank0: Display, Keyboard, Clock/DISP_LATCH: U3.A2 U6.6
/Bank0: Display, Keyboard, Clock/DISP_VSYNC: U3.A1 U6.4
/Bank0: Display, Keyboard, Clock/GBCLK: U3.C8 X2.3
/Bank0: Display, Keyboard, Clock/GBCLK_ENA: U3.F9 X2.1
/Bank0: Display, Keyboard, Clock/P10: J6.8 J7.1 R30.2 U3.C3
/Bank0: Display, Keyboard, Clock/P11: J6.4 J7.2 R27.2 U3.D3
/Bank0: Display, Keyboard, Clock/P12: J6.7 J7.3 R29.2 U3.E5
/Bank0: Display, Keyboard, Clock/P13: J6.6 J7.6 R28.2 U3.D4
/Bank0: Display, Keyboard, Clock/P15: J6.9 J7.8 U3.C4
/Bank0: Display, Keyboard, Clock/XDISP_ALTSIG: J6.13 U6.19
/Bank0: Display, Keyboard, Clock/XDISP_CLK: J6.14 U6.17
/Bank0: Display, Keyboard, Clock/XDISP_CTRL: J6.19 U6.14
/Bank0: Display, Keyboard, Clock/XDISP_D0: J6.16 U6.15
/Bank0: Display, Keyboard, Clock/XDISP_D1: J6.15 U6.16
/Bank0: Display, Keyboard, Clock/XDISP_HSYNC: J6.17 U6.21
/Bank0: Display, Keyboard, Clock/XDISP_LATCH: J6.18 U6.18
/Bank0: Display, Keyboard, Clock/XDISP_VSYNC: J6.12 U6.20
/Bank1: GPIOA/GPIO_A0: J8.3 U3.H11 U7.3
/Bank1: GPIOA/GPIO_A1: J8.4 U3.H13 U7.4
/Bank1: GPIOA/GPIO_A2: J8.5 U3.J16 U7.5
/Bank1: GPIOA/GPIO_A3: J8.6 U3.J13 U7.6
/Bank1: GPIOA/GPIO_A4: J8.7 U3.J14 U7.7
/Bank1: GPIOA/GPIO_A5: J8.8 U3.K16 U7.8
/Bank1: GPIOA/GPIO_A6: J8.9 U3.J15 U7.9
/Bank1: GPIOA/GPIO_A7: J8.10 U3.K14 U7.10
/Bank1: GPIOA/GPIO_A_DIR: R32.2 U3.R15 U7.2
/Bank1: GPIOA/GPIO_A_~{OE}: R33.2 U3.R14 U7.22
/Bank1: GPIOA/XGPIO_A0: J10.3 U7.21
/Bank1: GPIOA/XGPIO_A1: J10.4 U7.20
/Bank1: GPIOA/XGPIO_A2: J10.5 U7.19
/Bank1: GPIOA/XGPIO_A3: J10.6 U7.18
/Bank1: GPIOA/XGPIO_A4: J10.7 U7.17
/Bank1: GPIOA/XGPIO_A5: J10.8 U7.16
/Bank1: GPIOA/XGPIO_A6: J10.9 U7.15
/Bank1: GPIOA/XGPIO_A7: J10.10 U7.14
/Bank2: SDCard/SDCARD_CLK: J11.5 R40.2 U3.M12
/Bank2: SDCard/SDCARD_CMD: J11.3 R41.2 U3.T16
/Bank3: LEDs, Switches/DipSW0: R66.1 SW4.1 U3.K3
/Bank3: LEDs, Switches/DipSW1: R65.1 SW4.2 U3.K1
/Bank3: LEDs, Switches/DipSW2: R64.1 SW4.3 U3.E2
/Bank3: LEDs, Switches/DipSW3: R63.1 SW4.4 U3.H5
/Bank3: LEDs, Switches/DipSW4: R62.1 SW4.5 U3.E3
/Bank3: LEDs, Switches/DipSW5: R61.1 SW4.6 U3.G4
/Bank3: LEDs, Switches/DipSW6: R60.1 SW4.7 U3.D1
/Bank3: LEDs, Switches/DipSW7: R59.1 SW4.8 U3.G5
/Bank3: LEDs, Switches/DipSW8: R58.1 SW5.1 U3.D2
/Bank3: LEDs, Switches/DipSW9: R57.1 SW5.2 U3.F4
/Bank3: LEDs, Switches/DipSW10: R56.1 SW5.3 U3.C2
/Bank3: LEDs, Switches/DipSW11: R55.1 SW5.4 U3.C1
/Bank3: LEDs, Switches/DipSW12: R54.1 SW5.5 U3.B1
/Bank3: LEDs, Switches/DipSW13: R53.1 SW5.6 U3.J1
/Bank3: LEDs, Switches/LED0: D0.2 U3.N4
/Bank3: LEDs, Switches/LED1: D1.2 U3.R1
/Bank3: LEDs, Switches/LED2: D2.2 U3.M5
/Bank3: LEDs, Switches/LED3: D3.2 U3.P2
/Bank3: LEDs, Switches/LED4: D4.2 U3.M4
/Bank3: LEDs, Switches/LED5: D5.2 U3.P1
/Bank3: LEDs, Switches/LED6: D6.2 U3.N3
/Bank3: LEDs, Switches/LED7: D7.2 U3.L5
/Bank3: LEDs, Switches/LED8: D8.2 U3.M3
/Bank3: LEDs, Switches/LED9: D9.2 U3.M6
/Bank3: LEDs, Switches/LED10: D10.2 U3.N2
/Bank3: LEDs, Switches/LED11: D11.2 U3.L7
/Bank3: LEDs, Switches/LED12: D12.2 U3.M2
/Bank3: LEDs, Switches/LED13: D13.2 U3.K5
/Bank3: LEDs, Switches/LED14: D14.2 U3.L3
/Bank3: LEDs, Switches/LED15: D15.2 U3.L6
/Bank3: LEDs, Switches/SW0: R50.1 SW0.1 U3.M1
/Bank3: LEDs, Switches/SW1: R49.1 SW1.1 U3.K4
/Bank3: LEDs, Switches/SW2: R48.1 SW2.1 U3.L1
/Bank3: LEDs, Switches/SW3: R47.1 SW3.1 U3.L4
/Cartridge Master Slot/X_M_AIN: J13.31 J15.31
/Cartridge Master Slot/X_MA0: J13.6 J15.6 U8.21
/Cartridge Master Slot/X_MA1: J13.7 J15.7 U8.20
/Cartridge Master Slot/X_MA2: J13.8 J15.8 U8.19
/Cartridge Master Slot/X_MA3: J13.9 J15.9 U8.18
/Cartridge Master Slot/X_MA4: J13.10 J15.10 U8.17
/Cartridge Master Slot/X_MA5: J13.11 J15.11 U8.16
/Cartridge Master Slot/X_MA6: J13.12 J15.12 U8.15
/Cartridge Master Slot/X_MA7: J13.13 J15.13 U8.14
/Cartridge Master Slot/X_MA8: J13.14 J15.14 U9.21
/Cartridge Master Slot/X_MA9: J13.15 J15.15 U9.20
/Cartridge Master Slot/X_MA10: J13.16 J15.16 U9.19
/Cartridge Master Slot/X_MA11: J13.17 J15.17 U9.18
/Cartridge Master Slot/X_MA12: J13.18 J15.18 U9.17
/Cartridge Master Slot/X_MA13: J13.19 J15.19 R88.2 U10.16
/Cartridge Master Slot/X_MA14: J13.20 J15.20 R86.2 U10.17
/Cartridge Master Slot/X_MA15: J13.21 J15.21 R85.2 U10.18
/Cartridge Master Slot/X_MCLK: J13.2 J15.2 U9.16
/Cartridge Master Slot/X_MD0: J13.22 J15.22 R95.1 R103.1
/Cartridge Master Slot/X_MD1: J13.23 J15.23 R96.1 R104.1
/Cartridge Master Slot/X_MD2: J13.24 J15.24 R97.1 R105.1
/Cartridge Master Slot/X_MD3: J13.25 J15.25 R98.1 R106.1
/Cartridge Master Slot/X_MD4: J13.26 J15.26 R99.1 R107.1
/Cartridge Master Slot/X_MD5: J13.27 J15.27 R100.1 R108.1
/Cartridge Master Slot/X_MD6: J13.28 J15.28 R101.1 R109.1
/Cartridge Master Slot/X_MD7: J13.29 J15.29 R102.1 R110.1
/Cartridge Master Slot/X_~{MCS}: J13.5 J15.5 R84.2 U10.19
/Cartridge Master Slot/X_~{MRD}: J13.4 J15.4 R92.2 U10.21
/Cartridge Master Slot/X_~{MRST}: J13.30 J15.30 Q1.3 R94.2
/Cartridge Master Slot/X_~{MWR}: J13.3 J15.3 R93.2 U10.20
/Cartridge Slave Slot/X_S_AIN: J16.3 J18.31 R124.1
/Cartridge Slave Slot/X_SA0: J16.32 J18.6 U12.14
/Cartridge Slave Slot/X_SA1: J16.30 J18.7 U12.15
/Cartridge Slave Slot/X_SA2: J16.28 J18.8 U12.16
/Cartridge Slave Slot/X_SA3: J16.26 J18.9 U12.17
/Cartridge Slave Slot/X_SA4: J16.24 J18.10 U12.18
/Cartridge Slave Slot/X_SA5: J16.22 J18.11 U12.19
/Cartridge Slave Slot/X_SA6: J16.20 J18.12 U12.20
/Cartridge Slave Slot/X_SA7: J16.18 J18.13 U12.21
/Cartridge Slave Slot/X_SA8: J16.16 J18.14 U13.17
/Cartridge Slave Slot/X_SA9: J16.14 J18.15 U13.18
/Cartridge Slave Slot/X_SA10: J16.12 J18.16 U13.19
/Cartridge Slave Slot/X_SA11: J16.10 J18.17 U13.20
/Cartridge Slave Slot/X_SA12: J16.8 J18.18 U13.21
/Cartridge Slave Slot/X_SA13: J16.6 J18.19 U14.18
/Cartridge Slave Slot/X_SA14: J16.4 J18.20 U14.17
/Cartridge Slave Slot/X_SA15: J16.2 J18.21 U14.16
/Cartridge Slave Slot/X_SCLK: J16.29 J18.2 U13.16
/Cartridge Slave Slot/X_SD0: J16.21 J18.22 R116.1
/Cartridge Slave Slot/X_SD1: J16.19 J18.23 R117.1
/Cartridge Slave Slot/X_SD2: J16.17 J18.24 R118.1
/Cartridge Slave Slot/X_SD3: J16.15 J18.25 R119.1
/Cartridge Slave Slot/X_SD4: J16.13 J18.26 R120.1
/Cartridge Slave Slot/X_SD5: J16.11 J18.27 R121.1
/Cartridge Slave Slot/X_SD6: J16.9 J18.28 R122.1
/Cartridge Slave Slot/X_SD7: J16.7 J18.29 R123.1
/Cartridge Slave Slot/X_VDD: J16.31 J18.1 L4.1
/Cartridge Slave Slot/X_~{SCS}: J16.23 J18.5 U14.19
/Cartridge Slave Slot/X_~{SRD}: J16.25 J18.4 U14.21
/Cartridge Slave Slot/X_~{SRST}: J16.5 J18.30 Q2.3 R115.2
/Cartridge Slave Slot/X_~{SWR}: J16.27 J18.3 U14.20
/CBSEL0: R52.1 SW5.7 U3.K11
